# Allegro board STARRYSKY.brd (continued)
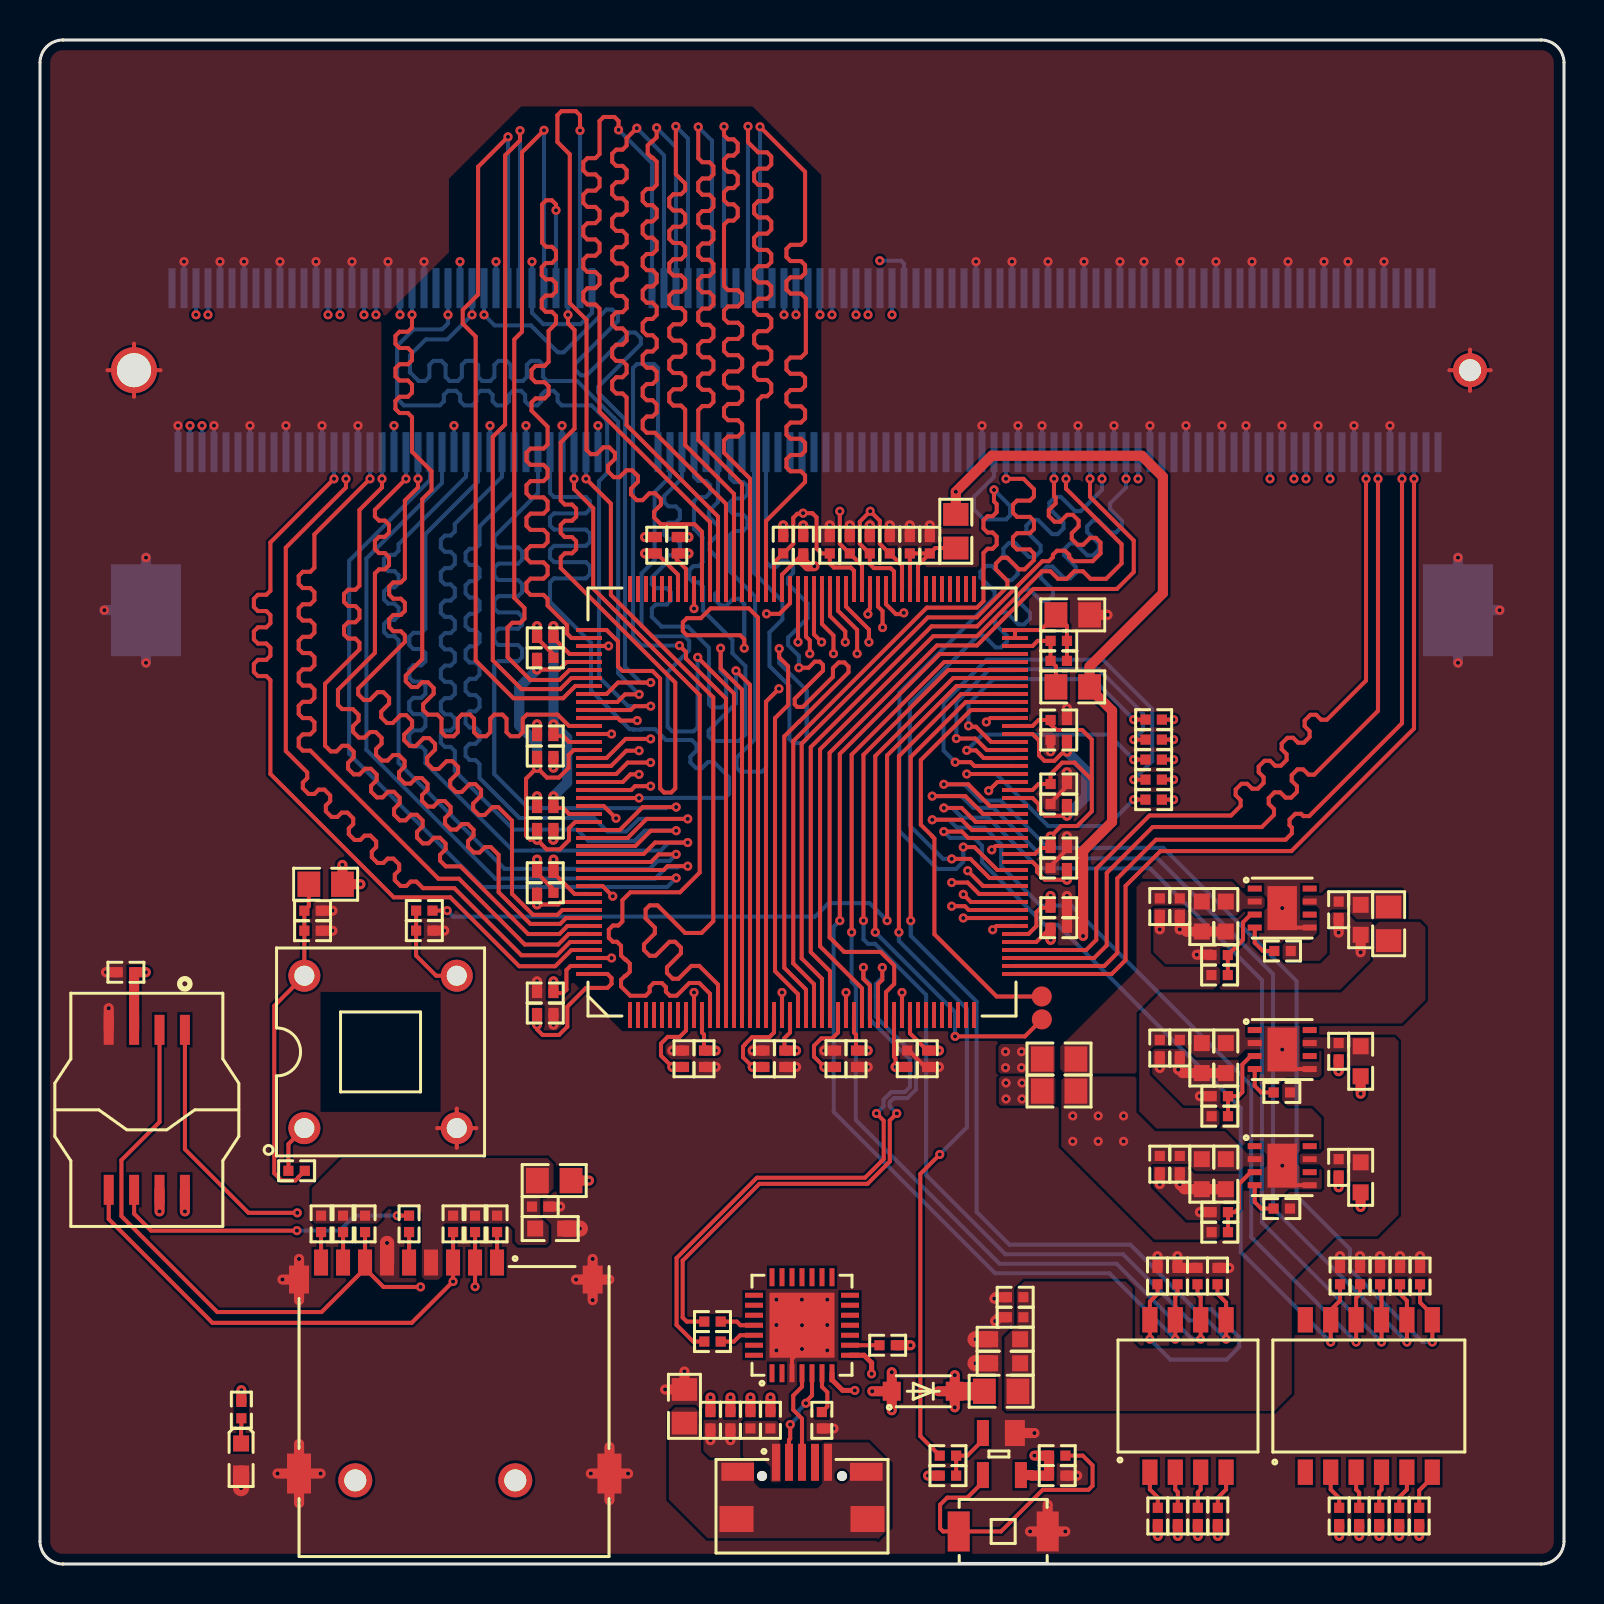
[diagram p0: board, top side]
## Routing (per net, layer and track width the routed paths; a pad name or vN(x,y) marks a point on that pad's centre or on a via; arc(x,y) is an arc through that point) (continued)
CHIPLINK_RX_DATA18: length 40.4
  TOP w0.203: U3.110 38.3,46.37 38.49,46.18 v1(38.49,45.52)
  ART03 w0.203: v1(38.49,45.52) 38.49,46.99 42.99,51.49 42.99,53.94 41.77,55.15 40.47,55.15 40.27,55.35 40.27,55.65 40.07,55.85 39.66,55.85 39.46,55.65 39.46,55.35 39.25,55.15 38.85,55.15 38.64,55.35 38.64,55.65 38.44,55.85 38.03,55.85 37.83,55.65 37.83,55.35 37.63,55.15 37.22,55.15 37.02,55.35 37.02,55.65 36.81,55.85 36.41,55.85 36.2,55.65 36.2,55.35 36,55.15 35.6,55.15 35.39,55.35 35.39,55.65 35.19,55.85 34.78,55.85 34.58,55.65 34.58,55.35 34.38,55.15 34.05,55.15 32.68,56.52 32.68,60.99 33.37,61.68 37.45,61.68 37.8,62.03 v1(37.8,62.46)
  BOTTOM w0.203: J1.97 v1(37.8,62.46)
CHIPLINK_RX_DATA19: length 40.6
  TOP w0.203: U3.109 38.7,46.48 v1(39.08,46.1)
  ART03 w0.203: v1(39,62.46) 39,62.03 37.9,60.93 36.45,60.93 36.24,60.73 36.24,60.41 36.04,60.21 35.63,60.21 35.43,60.41 35.43,60.73 35.23,60.93 34.9,60.93 34.18,60.21 34.18,58.66 34.38,58.46 34.68,58.46 34.88,58.26 34.88,57.85 34.68,57.65 34.38,57.65 34.18,57.44 34.18,57.11 34.8,56.48 35.44,56.48 35.65,56.69 35.65,57.07 35.85,57.27 36.26,57.27 36.46,57.07 36.46,56.69 36.66,56.48 37.07,56.48 37.27,56.69 37.27,57.07 37.48,57.27 37.88,57.27 38.09,57.07 38.09,56.69 38.29,56.48 38.7,56.48 38.9,56.69 38.9,57.07 39.1,57.27 39.51,57.27 39.71,57.07 39.71,56.69 39.91,56.48 40.32,56.48 40.52,56.69 40.52,57.07 40.73,57.27 41.13,57.27 41.34,57.07 41.34,56.69 43.99,54.03 43.99,51.81 43.95,51.76 43.95,51.74 41.13,48.93 39.08,46.88 v1(39.08,46.1)
  BOTTOM w0.203: J1.101 v1(39,62.46)
CHIPLINK_RX_DATA20: length 40.5
  TOP w0.203: U3.108 39.1,47 39.67,46.43 v1(39.67,45.52)
  ART03 w0.203: v1(39.6,62.46) 39.6,63.21 39.8,63.41 40.09,63.41 40.29,63.21 40.29,61.63 39.58,60.92 38.91,60.92 37.66,59.67 36.24,59.67 36.04,59.47 36.04,58.14 36.24,57.94 37.82,57.94 38.02,58.14 38.02,58.8 38.22,59 38.63,59 38.83,58.8 38.83,58.14 39.04,57.94 39.44,57.94 39.65,58.14 39.65,58.8 39.85,59 40.26,59 40.46,58.8 40.46,58.14 40.66,57.94 42.38,57.94 45.06,55.26 45.06,51.49 42.17,48.6 41.31,48.6 39.67,46.96 v1(39.67,45.52)
  BOTTOM w0.203: J1.103 v1(39.6,62.46)
CHIPLINK_RX_DATA21: length 40.6
  TOP w0.203: U3.107 39.5,47.4 40.26,46.63 v1(40.26,46.1)
  ART03 w0.203: v1(40.26,46.1) 40.26,47.01 41.4,48.14 43.47,48.14 44.89,49.56 44.89,49.85 44.64,50.1 44.64,50.39 44.93,50.68 45.22,50.68 45.47,50.43 45.75,50.43 46.04,50.71 46.04,51 45.79,51.25 45.79,51.54 46.08,51.82 46.37,51.82 46.62,51.58 46.9,51.58 47.18,51.85 47.18,52.23 46.98,52.44 46.43,52.44 46.22,52.64 46.22,53.05 46.43,53.25 46.98,53.25 47.18,53.45 47.18,53.86 46.98,54.06 46.43,54.06 46.22,54.27 46.22,54.67 46.43,54.88 46.98,54.88 47.18,55.08 47.18,55.65 46.86,55.97 46.57,55.97 46.1,55.51 45.82,55.51 45.53,55.8 45.53,56.08 45.99,56.55 45.99,56.83 45.71,57.12 45.42,57.12 44.95,56.66 44.67,56.66 44.38,56.95 44.38,57.23 44.84,57.7 44.84,57.98 44.56,58.27 44.27,58.27 43.8,57.81 43.52,57.81 43.23,58.1 43.23,58.38 43.69,58.85 43.69,59.13 43.41,59.42 43.12,59.42 42.65,58.96 42.37,58.96 42.08,59.24 42.08,59.53 42.54,60 42.54,60.28 42.26,60.57 41.97,60.57 41.5,60.11 41.22,60.11 40.93,60.39 40.93,60.68 41.39,61.15 41.39,61.43 40.8,62.03 v1(40.8,62.46)
  BOTTOM w0.203: J1.107 v1(40.8,62.46)
CHIPLINK_RX_DATA22: length 40.7
  TOP w0.203: U3.106 39.9,47.66 40.86,46.71 v1(40.86,45.52)
  ART03 w0.203: v1(41.4,62.46) 42.75,61.11 43.92,61.11 44.2,61.11 44.66,61.56 44.94,61.56 45.23,61.28 45.23,60.99 44.78,60.54 44.78,60.25 45.07,59.96 45.35,59.96 45.81,60.41 46.09,60.41 46.38,60.13 46.38,59.84 45.93,59.39 45.93,59.1 46.22,58.81 46.5,58.81 46.96,59.27 47.24,59.27 47.53,58.98 47.53,58.69 47.08,58.24 47.08,57.95 48.79,56.23 48.79,51.07 48.26,50.54 47.98,50.54 47.52,50.99 47.24,50.99 46.95,50.71 46.95,50.42 47.4,49.97 47.4,49.68 47.11,49.39 46.83,49.39 46.37,49.84 46.09,49.84 45.8,49.56 45.8,49.27 46.25,48.82 46.25,48.53 45.96,48.24 45.68,48.24 45.22,48.69 44.94,48.69 44.65,48.41 44.65,48.12 45.1,47.67 45.1,47.38 44.72,47 42.8,47 42.52,47.28 41.84,47.28 40.86,46.29 v1(40.86,45.52)
  BOTTOM w0.203: J1.109 v1(41.4,62.46)
CHIPLINK_RX_DATA23: length 41.6
  TOP w0.203: U3.105 40.3,47.87 41.45,46.72 v1(41.45,46.1)
  ART03 w0.203: v1(41.45,46.1) 41.88,46.1 42.08,45.89 42.08,45.06 42.28,44.85 42.69,44.85 42.89,45.06 42.89,45.89 43.1,46.1 43.5,46.1 43.71,45.89 43.71,45.06 43.91,44.85 44.32,44.85 44.52,45.06 44.52,45.89 44.72,46.1 45.12,46.1 49.45,50.43 49.45,57.9 46.36,60.99 46.36,61.63 46.57,61.83 46.89,61.83 47.09,62.03 47.09,62.44 46.89,62.64 46.57,62.64 46.36,62.85 46.36,63.25 46.57,63.46 46.89,63.46 47.09,63.66 47.09,64.07 46.89,64.27 46.57,64.27 46.36,64.47 46.36,64.48 46.05,64.78 42.94,64.78 42.6,64.45 v1(42.6,62.46)
  BOTTOM w0.203: J1.113 v1(42.6,62.46)
CHIPLINK_RX_DATA24: length 41.7
  TOP w0.203: U3.133 28.33,46.7 28.9,46.13 28.9,44.88 29.13,44.65 30.63,44.65 31,44.28 31,38.78 31.21,38.57 31.56,38.57 31.76,38.78 31.76,44.07 26.04,49.8 26.04,50.33 26.24,50.53 26.6,50.53 26.81,50.74 26.81,51.14 26.6,51.35 26.24,51.35 26.04,51.55 26.04,51.96 26.24,52.16 26.6,52.16 26.81,52.36 26.81,52.77 26.6,52.97 26.24,52.97 26.04,53.18 26.04,56.08 26.73,56.77 26.73,61.7 26.4,62.03 v1(26.4,62.46)
  BOTTOM w0.203: J1.67 v1(26.4,62.46)
CHIPLINK_RX_DATA25: length 41
  TOP w0.203: U3.134 26.57,46.3 26.36,46.51 26.36,46.94 25.38,47.92 25.38,48.25 25.18,48.46 24.53,48.46 24.32,48.66 24.32,49.06 24.53,49.27 25.18,49.27 25.38,49.47 25.38,49.88 25.18,50.08 24.53,50.08 24.32,50.28 24.32,50.69 24.53,50.89 25.18,50.89 25.38,51.1 25.38,51.5 25.18,51.71 24.53,51.71 24.32,51.91 24.32,52.32 24.53,52.52 25.18,52.52 25.38,52.72 25.38,53.13 25.18,53.33 24.53,53.33 24.32,53.54 24.32,53.94 24.53,54.14 25.18,54.14 25.38,54.35 25.38,54.75 25.18,54.96 24.53,54.96 24.32,55.16 24.32,55.57 24.53,55.77 25.18,55.77 25.38,55.97 25.38,56.86 24.58,57.67 24.58,58.08 24.78,58.28 25.23,58.28 25.43,58.48 25.43,58.89 25.23,59.09 24.78,59.09 24.58,59.29 24.58,59.7 24.78,59.9 25.23,59.9 25.43,60.11 25.43,61.66 25.8,62.03 25.8,62.41 25.6,62.61 25.29,62.61 25.09,62.81 25.09,63.22 25.29,63.42 25.6,63.42 25.8,63.62 25.8,64.03 25.6,64.23 25.29,64.23 25.09,64.44 25.09,64.84 25.29,65.05 25.6,65.05 25.8,65.25 25.8,65.66 25.6,65.86 25.31,65.86 25.11,66.06 25.11,67.98 25.31,68.19 25.6,68.19 25.8,67.98 v1(25.8,67.69)
  BOTTOM w0.203: J1.65 v1(25.8,67.69)
CHIPLINK_RX_DATA26: length 40.4
  TOP w0.203: U3.138 26.47,44.7 25.97,44.2 24.52,44.2 23.38,45.34 23.38,46.82 23.62,47.06 24.02,47.06 24.22,47.26 24.22,47.8 23.71,48.31 23.71,61.23 24.1,61.61 24.1,70.58 v1(25.2,71.69)
  BOTTOM w0.203: J1.63 v1(25.2,71.69)
CHIPLINK_RX_DATA27: length 40.6
  TOP w0.203: U3.139 26.57,44.3 26.02,43.74 24.08,43.74 22.64,45.18 22.64,56.36 23.25,56.97 23.25,64.93 23.26,64.93 23.26,65.31 23.25,65.31 23.25,70.43 24,71.18 v1(24,71.67)
  BOTTOM w0.203: J1.59 v1(24,71.67)
CHIPLINK_RX_DATA28: length 41.7
  TOP w0.203: U3.140 26.77,43.9 26.15,43.29 23.67,43.29 21.78,45.18 21.78,61.37 21.14,62.02 21.14,62.71 21.9,63.47 21.9,69.86 v1(23.4,71.36)
  BOTTOM w0.203: J1.57 v1(23.4,71.36)
CHIPLINK_RX_DATA29: length 40.6
  TOP w0.203: U3.141 28.33,43.5 28.9,44.07 v1(30.54,44.07)
  BOTTOM w0.203: J1.53 v1(22.2,62.46) 22.73,61.93 24.55,61.93 24.74,61.74 24.74,61.74 25.89,60.58 26.18,60.58 28.32,62.72 28.61,62.72 28.9,62.44 28.9,62.15 26.76,60.01 26.76,59.72 27.04,59.43 27.33,59.43 29.47,61.57 29.76,61.57 30.04,61.29 30.04,61 27.91,58.86 27.91,58.57 29.03,57.45 29.03,57.44 29.25,57.22 29.25,44.86 30.04,44.07 v1(30.54,44.07)
CHIPLINK_RX_DATA30: length 40.4
  TOP w0.203: U3.142 28.87,43.1 29.25,43.48 v1(29.96,43.48)
  BOTTOM w0.203: J1.51 v1(21.6,62.46) 20.37,61.23 19.29,61.23 18.5,60.43 18.5,59.59 18.93,59.15 19.26,59.15 19.47,59.35 19.47,59.95 19.67,60.15 20.08,60.15 20.28,59.95 20.28,59.35 20.48,59.15 20.89,59.15 21.09,59.35 21.09,59.95 21.29,60.15 21.7,60.15 21.9,59.95 21.9,59.35 22.11,59.15 22.51,59.15 22.72,59.35 22.72,59.95 22.92,60.15 23.33,60.15 23.53,59.95 23.53,59.35 23.73,59.15 24.14,59.15 24.34,59.35 24.34,59.95 24.55,60.15 24.95,60.15 25.16,59.95 25.16,59.35 25.36,59.15 26.86,59.15 28.7,57.31 28.7,57.31 28.91,57.1 28.91,44.53 v1(29.96,43.48)
CHIPLINK_RX_DATA31: length 41.6
  TOP w0.203: v1(30.54,42.89) 29.73,42.89 29.54,42.7 U3.143
  BOTTOM w0.203: v1(30.54,42.89) 29.41,42.89 27.95,44.36 27.95,54.14 28.36,54.55 28.36,57.11 28.33,57.14 28.33,57.18 27.58,57.93 26.09,57.93 25.88,58.13 25.88,58.46 25.68,58.66 25.27,58.66 25.07,58.46 25.07,58.13 24.87,57.93 24.46,57.93 24.26,58.13 24.26,58.46 24.06,58.66 23.65,58.66 23.45,58.46 23.45,58.13 23.24,57.93 22.84,57.93 22.63,58.13 22.63,58.46 22.43,58.66 22.02,58.66 21.82,58.46 21.82,58.13 21.62,57.93 21.21,57.93 21.01,58.13 21.01,58.46 20.8,58.66 20.4,58.66 20.19,58.46 20.19,58.13 19.99,57.93 18.19,57.93 17.86,58.27 17.86,60.91 18.68,61.74 20.11,61.74 20.4,62.03 v1(20.4,62.46) J1.47
CHIPLINK_RX_RST: length 41.5
  TOP w0.203: v1(45.58,35.26) 46.52,35.26 47.48,34.3 U3.57
  BOTTOM w0.203: J1.152 v1(54.3,54.26) 54.3,53.83 53.51,53.03 53.51,52.75 54.1,52.16 54.1,51.87 53.81,51.58 53.52,51.58 52.93,52.17 52.64,52.17 52.36,51.88 52.36,51.6 52.95,51.01 52.95,50.72 52.66,50.43 52.37,50.43 51.78,51.02 51.49,51.02 51.21,50.73 51.21,50.45 51.8,49.86 51.8,49.57 51.51,49.28 51.22,49.28 50.63,49.87 50.34,49.87 50.06,49.58 50.06,49.3 50.65,48.71 50.65,48.42 50.36,48.13 50.07,48.13 49.48,48.72 49.19,48.72 48.91,48.44 48.91,48.15 49.5,47.56 49.5,47.27 49.21,46.98 48.92,46.98 48.33,47.57 48.04,47.57 47.76,47.29 47.76,47 48.35,46.41 48.35,46.12 48.06,45.83 47.77,45.83 47.18,46.42 46.9,46.42 43.49,43.02 43.49,36.91 45.15,35.26 v1(45.58,35.26)
CHIPLINK_RX_SEND: length 41.4
  TOP w0.203: v1(46.39,34.66) 47.15,33.9 U3.56
  ART03 w0.203: v1(54.9,54.26) 54.9,53.83 54.15,53.07 54.15,52.79 54.47,52.46 54.47,52.18 54.18,51.89 53.89,51.89 53.57,52.21 53.28,52.21 53,51.92 53,51.64 53.32,51.31 53.32,51.03 53.03,50.74 52.75,50.74 52.42,51.06 52.13,51.06 51.85,50.78 51.85,50.49 52.17,50.16 52.17,49.88 51.88,49.59 51.6,49.59 51.27,49.91 50.99,49.91 50.7,49.63 50.7,49.34 51.02,49.02 51.02,48.73 50.73,48.44 50.45,48.44 50.12,48.76 49.84,48.76 49.55,48.48 49.55,48.19 49.87,47.87 49.87,47.58 49.58,47.29 49.3,47.29 48.97,47.61 48.69,47.61 48.4,47.33 48.4,47.04 48.72,46.72 48.72,46.43 48.43,46.14 48.15,46.14 47.82,46.46 47.54,46.46 47.25,46.18 47.25,45.89 47.57,45.57 47.57,45.28 47.28,44.99 47,44.99 46.67,45.31 46.39,45.31 46.1,45.03 46.1,44.74 46.42,44.42 46.42,44.13 46.14,43.84 45.85,43.84 45.52,44.17 45.24,44.17 44.95,43.88 44.95,43.59 45.27,43.27 45.27,42.98 44.99,42.69 44.7,42.69 44.38,43.02 44.09,43.02 43.85,42.78 43.85,35.57 44.76,34.66 v1(46.39,34.66)
  BOTTOM w0.203: J1.154 v1(54.9,54.26)
CHIPLINK_TX_CLK: length 40.8
  TOP w0.203: U3.144 28.89,42.3 29.01,42.17 v1(29.86,42.17)
  ART03 w0.203: v1(41.99,65.17) 29.86,65.17 28.98,64.28 28.98,43.06 v1(29.86,42.17)
  BOTTOM w0.203: J1.115 43.2,65.02 43.05,65.17 v1(41.99,65.17)
CHIPLINK_TX_DATA00: length 41.2
  TOP w0.203: v1(29.95,40.66) 29.32,40.66 28.55,39.9 U3.150
  ART03 w0.203: v1(29.95,40.66) 28.68,40.66 26.29,43.06 26.29,50.47 26.05,50.71 25.76,50.71 25.48,50.43 25.2,50.43 24.91,50.71 24.91,51 25.19,51.28 25.19,51.57 24.9,51.86 24.62,51.86 24.33,51.58 24.05,51.58 23.76,51.86 23.76,52.15 24.04,52.43 24.04,52.72 23.75,53.01 23.47,53.01 23.18,52.73 22.9,52.73 22.61,53.01 22.61,53.3 22.89,53.58 22.89,53.87 22.6,54.16 22.32,54.16 22.04,53.87 21.75,53.87 21.46,54.16 21.46,54.45 21.74,54.73 21.74,55.02 21.45,55.3 21.17,55.3 20.89,55.02 20.6,55.02 20.31,55.31 20.31,55.6 20.59,55.88 20.59,56.17 20.3,56.45 20.02,56.45 19.74,56.17 19.45,56.17 19.16,56.46 19.16,56.75 19.44,57.03 19.44,57.32 19.15,57.6 18.87,57.6 18.59,57.32 18.3,57.32 18.01,57.61 18.01,57.9 18.29,58.18 18.29,58.47 18,58.75 17.72,58.75 17.44,58.47 17.15,58.47 16.86,58.76 16.86,59.05 17.14,59.33 17.14,59.62 16.8,59.96 v1(16.8,62.46)
  BOTTOM w0.203: J1.35 v1(16.8,62.46)
CHIPLINK_TX_DATA01: length 40.8
  TOP w0.203: U3.151 28.81,39.5 29.38,40.07 v1(30.53,40.07)
  ART03 w0.203: v1(30.53,40.07) 28.48,40.07 23.23,45.33 23.23,45.96 23.59,46.32 23.59,46.61 23.3,46.89 23.01,46.89 22.65,46.53 22.36,46.53 22.08,46.82 22.08,47.11 22.44,47.47 22.44,47.76 22.15,48.04 21.86,48.04 21.5,47.68 21.21,47.68 20.93,47.97 20.93,48.26 21.29,48.62 21.29,48.91 21,49.19 20.71,49.19 20.35,48.83 20.06,48.83 19.78,49.12 19.78,49.41 20.14,49.77 20.14,50.06 19.85,50.34 19.56,50.34 19.2,49.98 18.92,49.98 18.63,50.27 18.63,50.56 18.99,50.92 18.99,51.2 18.7,51.49 18.41,51.49 18.12,51.2 17.83,51.2 17.63,51.4 17.63,56.35 16.2,57.77 v1(16.2,62.46)
  BOTTOM w0.203: J1.33 v1(16.2,62.46)
CHIPLINK_TX_DATA02: length 40.8
  TOP w0.203: U3.152 29.14,39.1 29.52,39.48 v1(29.95,39.48)
  ART03 w0.203: v1(15,62.46) 15,62.03 13.63,60.66 13.63,52.51 13.9,52.25 14.19,52.25 14.48,52.53 14.77,52.53 15.05,52.25 15.05,51.96 14.76,51.67 14.76,51.38 15.05,51.1 15.34,51.1 15.63,51.39 15.92,51.39 16.2,51.1 16.2,50.81 15.91,50.52 15.91,50.23 16.2,49.95 16.49,49.95 16.78,50.24 17.07,50.24 17.35,49.95 17.35,49.66 17.06,49.37 17.06,49.08 17.35,48.8 17.64,48.8 17.93,49.09 18.22,49.09 18.5,48.8 18.5,48.51 18.21,48.22 18.21,47.93 26.67,39.48 v1(29.95,39.48)
  BOTTOM w0.203: J1.29 v1(15,62.46)
CHIPLINK_TX_DATA03: length 41.5
  TOP w0.203: U3.153 29.56,38.7 29.75,38.89 v1(30.53,38.89)
  ART03 w0.203: v1(14.4,62.46) 12.98,61.04 12.98,51.04 20.06,43.96 20.06,43.67 19.89,43.5 19.89,43.22 20.18,42.93 20.47,42.93 20.64,43.1 20.93,43.1 21.21,42.81 21.21,42.52 21.04,42.35 21.04,42.07 21.33,41.78 21.62,41.78 21.79,41.95 22.08,41.95 22.36,41.66 22.36,41.37 22.19,41.2 22.19,40.92 22.48,40.63 22.77,40.63 22.9,40.76 23.18,40.76 25.04,38.9 30.09,38.9 30.1,38.89 v1(30.53,38.89)
  BOTTOM w0.203: J1.27 v1(14.4,62.46)
CHIPLINK_TX_DATA04: length 41.2
  TOP w0.203: U3.154 v1(29.95,38.3)
  BOTTOM w0.203: v1(29.95,38.3) 31.61,38.3 31.62,38.3 34.25,38.3 34.46,38.51 34.46,39.34 33.69,40.1 33.4,40.1 33.09,39.79 32.81,39.79 32.52,40.08 32.52,40.37 32.83,40.68 32.83,40.96 32.59,41.2 31.3,41.2 30.76,41.74 30.07,41.74 30.05,41.72 29.67,41.72 29.64,41.74 29.48,41.74 27.55,43.67 27.55,46.06 25.5,48.11 25.5,49.08 25.7,49.28 27.29,49.28 27.5,49.49 27.5,49.89 27.29,50.1 25.7,50.1 25.5,50.3 25.5,50.71 25.7,50.91 27.29,50.91 27.5,51.11 27.5,51.52 27.29,51.72 25.7,51.72 25.5,51.93 25.5,52.33 25.7,52.53 27.29,52.53 27.5,52.74 27.5,53.14 27.29,53.35 25.7,53.35 25.5,53.55 J1.64
CHIPLINK_TX_DATA05: length 40.9
  TOP w0.203: U3.158 28.99,36.7 30.14,37.85 v1(31.81,37.85)
  BOTTOM w0.203: J1.62 24.9,53.55 22.71,51.36 22.71,51.03 22.92,50.83 23.9,50.83 24.11,50.62 24.11,50.22 23.9,50.02 22.92,50.02 22.71,49.81 22.71,49.41 22.92,49.2 23.9,49.2 24.11,49 24.11,48.59 23.9,48.39 22.92,48.39 22.71,48.19 22.71,47.78 22.92,47.58 23.9,47.58 24.11,47.37 24.11,46.97 23.9,46.76 22.92,46.76 22.71,46.56 22.71,46.15 22.92,45.95 23.9,45.95 24.11,45.75 24.11,45.34 23.9,45.14 22.92,45.14 22.71,44.94 22.71,39.5 24.42,37.79 31.3,37.79 31.35,37.85 v1(31.81,37.85)
CHIPLINK_TX_DATA06: length 40.5
  TOP w0.203: v1(32.39,37.26) 30.33,37.26 29.38,36.3 U3.159
  BOTTOM w0.203: J1.58 23.7,53.6 21.98,51.88 21.98,50.97 21.77,50.76 21.48,50.76 21.28,50.56 21.28,50.15 21.48,49.95 21.77,49.95 21.98,49.75 21.98,49.34 21.77,49.14 21.48,49.14 21.28,48.93 21.28,48.53 21.48,48.32 21.77,48.32 21.98,48.12 21.98,47.72 21.77,47.51 21.48,47.51 21.28,47.31 21.28,46.9 21.48,46.7 21.77,46.7 21.98,46.5 21.98,46.09 21.77,45.89 21.48,45.89 21.28,45.68 21.28,45.28 21.48,45.07 21.77,45.07 21.98,44.87 21.98,44.46 21.77,44.26 21.48,44.26 21.28,44.06 21.28,43.65 21.48,43.45 21.77,43.45 21.98,43.24 21.98,42.84 21.77,42.64 21.48,42.64 21.28,42.43 21.28,42.03 21.48,41.82 21.77,41.82 21.98,41.62 21.98,41.21 21.77,41.01 21.48,41.01 21.28,40.81 21.28,40.4 21.48,40.2 21.77,40.2 21.98,39.99 21.98,39.3 23.98,37.3 27.7,37.3 28.37,36.63 29.31,36.63 29.94,37.26 v1(32.39,37.26)
CHIPLINK_TX_DATA07: length 40.7
  TOP w0.203: U3.160 29.77,35.9 30.54,36.66 v1(31.81,36.66)
  BOTTOM w0.203: J1.56 23.1,54.36 20.74,52 20.74,51.62 20.54,51.42 20.25,51.42 20.04,51.22 20.04,50.81 20.25,50.61 20.54,50.61 20.74,50.41 20.74,50 20.54,49.8 20.25,49.8 20.04,49.59 20.04,49.19 20.25,48.98 20.54,48.98 20.74,48.78 20.74,48.37 20.54,48.17 20.25,48.17 20.04,47.97 20.04,47.56 20.25,47.36 20.54,47.36 20.74,47.15 20.74,46.75 20.54,46.54 20.25,46.54 20.04,46.34 20.04,45.93 20.25,45.73 20.54,45.73 20.74,45.53 20.74,45.12 20.54,44.92 20.25,44.92 20.04,44.72 20.04,44.31 20.25,44.11 20.54,44.11 20.74,43.9 20.74,43.5 20.54,43.29 20.25,43.29 20.04,43.09 20.04,42.68 20.25,42.48 20.54,42.48 20.74,42.28 20.74,41.87 20.54,41.67 20.25,41.67 20.04,41.46 20.04,41.06 20.25,40.85 20.54,40.85 20.74,40.65 20.74,39.66 23.68,36.72 26.85,36.72 27.41,36.16 29.74,36.16 30.24,36.66 v1(31.81,36.66)
CHIPLINK_TX_DATA08: length 41.5
  TOP w0.203: U3.161 30.18,35.5 30.76,36.07 v1(32.39,36.07)
  BOTTOM w0.203: J1.52 21.9,54.12 19.27,51.49 19.27,46.76 19.07,46.56 18.67,46.56 18.46,46.36 18.46,45.95 18.67,45.75 19.07,45.75 19.27,45.54 19.27,45.14 19.07,44.93 18.67,44.93 18.46,44.73 18.46,44.33 18.67,44.12 19.07,44.12 19.27,43.92 19.27,43.51 19.07,43.31 18.67,43.31 18.46,43.11 18.46,42.7 18.67,42.5 19.07,42.5 19.27,42.29 19.27,41.89 19.07,41.68 18.67,41.68 18.46,41.48 18.46,41.07 18.67,40.87 19.07,40.87 19.27,40.67 19.27,40.05 23.65,35.67 24.65,35.67 24.66,35.68 25.86,35.68 25.87,35.67 31.04,35.67 31.44,36.07 v1(32.39,36.07)
CHIPLINK_TX_DATA09: length 40.8
  TOP w0.203: v1(31.81,35.48) 30.93,35.48 30.55,35.1 U3.162
  BOTTOM w0.203: J1.50 21.3,54.36 17.93,50.99 17.93,50.66 17.73,50.46 17.4,50.46 17.2,50.25 17.2,49.85 17.4,49.64 17.73,49.64 17.93,49.44 17.93,49.03 17.73,48.83 17.4,48.83 17.2,48.63 17.2,48.22 17.4,48.02 17.73,48.02 17.93,47.82 17.93,47.41 17.73,47.21 17.4,47.21 17.2,47 17.2,46.6 17.4,46.39 17.73,46.39 17.93,46.19 17.93,40.05 23.22,34.76 30.48,34.76 30.88,35.16 31.48,35.16 v1(31.81,35.48)
CHIPLINK_TX_DATA10: length 40.5
  TOP w0.203: U3.163 31.19,34.7 31.38,34.89 v1(32.39,34.89)
  BOTTOM w0.203: v1(32.39,34.89) 31.93,34.89 31.87,34.83 31.31,34.83 30.75,34.27 22.77,34.27 16.32,40.71 16.32,50.27 20.1,54.05 J1.46
CHIPLINK_TX_DATA11: length 40.4
  TOP w0.203: U3.164 v1(31.81,34.3)
  BOTTOM w0.203: J1.44 19.5,54.2 15.46,50.16 15.46,40.51 22.12,33.85 31.36,33.85 v1(31.81,34.3)
CHIPLINK_TX_DATA12: length 41.5
  TOP w0.203: U3.168 26.12,32.7 25.88,32.46 24.65,32.46 23.6,33.51 23.6,37.16 22.92,37.84 22.63,37.84 22.23,37.45 21.95,37.45 21.66,37.74 21.66,38.02 22.05,38.42 22.05,38.71 21.77,38.99 21.48,38.99 21.08,38.6 20.8,38.6 20.51,38.89 20.51,39.17 20.9,39.57 20.9,39.86 20.62,40.14 20.33,40.14 19.93,39.75 19.65,39.75 19.36,40.04 19.36,40.32 19.75,40.72 19.75,41.01 19.47,41.29 19.18,41.29 18.78,40.9 18.5,40.9 18.21,41.19 18.21,41.47 18.6,41.87 18.6,42.15 18.32,42.44 18.03,42.44 17.64,42.05 17.35,42.05 17.06,42.34 17.06,42.62 17.45,43.02 17.45,43.3 17.17,43.59 16.88,43.59 16.49,43.2 16.2,43.2 15.91,43.48 15.91,43.77 18.24,46.11 18.24,46.44 18.04,46.64 17.66,46.64 17.46,46.84 17.46,47.25 17.66,47.45 18.04,47.45 18.24,47.66 18.24,48.06 18.04,48.26 17.66,48.26 17.46,48.47 17.46,48.87 17.66,49.08 18.04,49.08 18.24,49.28 18.24,53.17 18.9,53.83 v1(18.9,54.26)
  BOTTOM w0.203: v1(18.9,54.26) J1.42
CHIPLINK_TX_DATA13: length 40.9
  TOP w0.203: v1(18.3,54.26) 16.75,52.7 16.75,52.37 16.95,52.17 17.25,52.17 17.45,51.97 17.45,51.56 17.25,51.36 16.95,51.36 16.75,51.16 16.75,50.75 16.95,50.55 17.25,50.55 17.45,50.34 17.45,49.94 17.25,49.73 16.95,49.73 16.75,49.53 16.75,45.56 14.9,43.71 14.9,42.95 15.1,42.75 15.64,42.75 15.93,42.46 15.93,42.17 15.65,41.9 15.65,41.61 15.94,41.32 16.23,41.32 16.5,41.6 16.79,41.6 17.08,41.31 17.08,41.02 16.8,40.75 16.8,40.46 17.09,40.17 17.38,40.17 17.65,40.45 17.94,40.45 18.23,40.16 18.23,39.87 17.95,39.6 17.95,39.31 18.24,39.02 18.53,39.02 18.8,39.3 19.09,39.3 19.38,39.01 19.38,38.72 19.1,38.45 19.1,38.16 19.39,37.87 19.68,37.87 19.95,38.15 20.24,38.15 20.53,37.86 20.53,37.57 20.25,37.3 20.25,37.01 20.54,36.72 20.83,36.72 21.1,37 21.39,37 21.68,36.71 21.68,36.42 21.4,36.15 21.4,35.86 21.69,35.57 21.98,35.57 22.25,35.85 22.54,35.85 22.93,35.46 22.93,33.59 24.52,32.01 26.01,32.01 26.3,32.3 U3.169
  BOTTOM w0.203: v1(18.3,54.26) J1.40
CHIPLINK_TX_DATA14: length 40.9
  TOP w0.203: v1(17.1,54.26) 17.1,53.83 15.97,52.7 15.97,48.91 15.77,48.71 15.4,48.71 15.2,48.51 15.2,48.1 15.4,47.9 15.77,47.9 15.97,47.69 15.97,47.29 15.77,47.08 15.4,47.08 15.2,46.88 15.2,46.48 15.4,46.27 15.77,46.27 15.97,46.07 15.97,45.73 14.25,44.01 14.25,40.92 14.54,40.63 14.83,40.63 15.11,40.91 15.4,40.91 15.68,40.62 15.68,40.34 15.4,40.06 15.4,39.77 15.69,39.48 15.98,39.48 16.26,39.76 16.54,39.76 16.83,39.47 16.83,39.19 16.55,38.91 16.55,38.62 16.84,38.33 17.13,38.33 17.41,38.61 17.69,38.61 17.98,38.32 17.98,38.04 17.7,37.76 17.7,37.47 17.99,37.18 18.28,37.18 18.56,37.46 18.84,37.46 19.13,37.17 19.13,36.89 18.85,36.61 18.85,36.32 19.14,36.03 19.43,36.03 19.71,36.31 19.99,36.31 20.28,36.02 20.28,35.74 20,35.46 20,35.17 20.29,34.88 21.02,34.88 24.41,31.5 25.97,31.5 26.37,31.9 U3.170
  BOTTOM w0.203: v1(17.1,54.26) J1.36
CHIPLINK_TX_DATA15: length 40.7
  TOP w0.203: v1(16.5,54.26) 13.72,51.48 13.72,49.81 13.52,49.61 13.14,49.61 12.94,49.41 12.94,49 13.14,48.8 13.52,48.8 13.72,48.59 13.72,48.19 13.52,47.98 13.14,47.98 12.94,47.78 12.94,47.37 13.14,47.17 13.52,47.17 13.72,46.97 13.72,46.56 13.52,46.36 13.14,46.36 12.94,46.16 12.94,45.75 13.14,45.55 13.52,45.55 13.72,45.34 13.72,44.94 13.52,44.73 13.14,44.73 12.94,44.53 12.94,44.12 13.14,43.92 13.52,43.92 13.72,43.72 13.72,43.31 13.52,43.11 13.14,43.11 12.94,42.9 12.94,42.5 13.14,42.29 13.52,42.29 13.72,42.09 13.72,41.69 13.52,41.48 13.14,41.48 12.94,41.28 12.94,40.87 13.14,40.67 13.52,40.67 19.92,34.26 20.95,34.26 24.24,30.98 25.91,30.98 26.44,31.5 U3.171
  BOTTOM w0.203: v1(16.5,54.26) J1.34
CHIPLINK_TX_DATA16: length 40.6
  TOP w0.203: U3.172 26.5,31.1 25.84,30.43 24.07,30.43 20.72,33.79 19.15,33.79 18.82,34.12 18.53,34.12 18.32,33.9 18.03,33.9 17.74,34.19 17.74,34.48 17.96,34.69 17.96,34.98 17.67,35.27 17.38,35.27 17.17,35.05 16.88,35.05 16.59,35.34 16.59,35.63 16.81,35.84 16.81,36.13 16.52,36.42 16.23,36.42 16.02,36.2 15.73,36.2 15.44,36.49 15.44,36.78 15.66,36.99 15.66,37.28 15.37,37.57 15.08,37.57 14.87,37.35 14.58,37.35 14.29,37.64 14.29,37.93 14.51,38.14 14.51,38.43 14.22,38.72 13.93,38.72 13.72,38.5 13.43,38.5 13.14,38.79 13.14,39.08 13.36,39.29 13.36,39.58 12.29,40.65 12.29,50.82 15.3,53.83 v1(15.3,54.26)
  BOTTOM w0.203: v1(15.3,54.26) J1.30
CHIPLINK_TX_DATA17: length 41.2
  TOP w0.203: U3.173 26.57,30.7 25.76,29.89 23.96,29.89 20.51,33.33 17.69,33.33 11.52,39.5 11.52,44.19 11.32,44.4 10.9,44.4 10.69,44.6 10.69,45.01 10.9,45.21 11.32,45.21 11.52,45.41 11.52,45.82 11.32,46.02 10.9,46.02 10.69,46.22 10.69,46.63 10.9,46.83 11.32,46.83 11.52,47.04 11.52,47.44 11.32,47.65 10.9,47.65 10.69,47.85 10.69,48.26 10.9,48.46 11.32,48.46 11.52,48.66 11.52,51.08 v1(14.7,54.26)